# Allegro board buddy_lay_rev1.brd (continued)
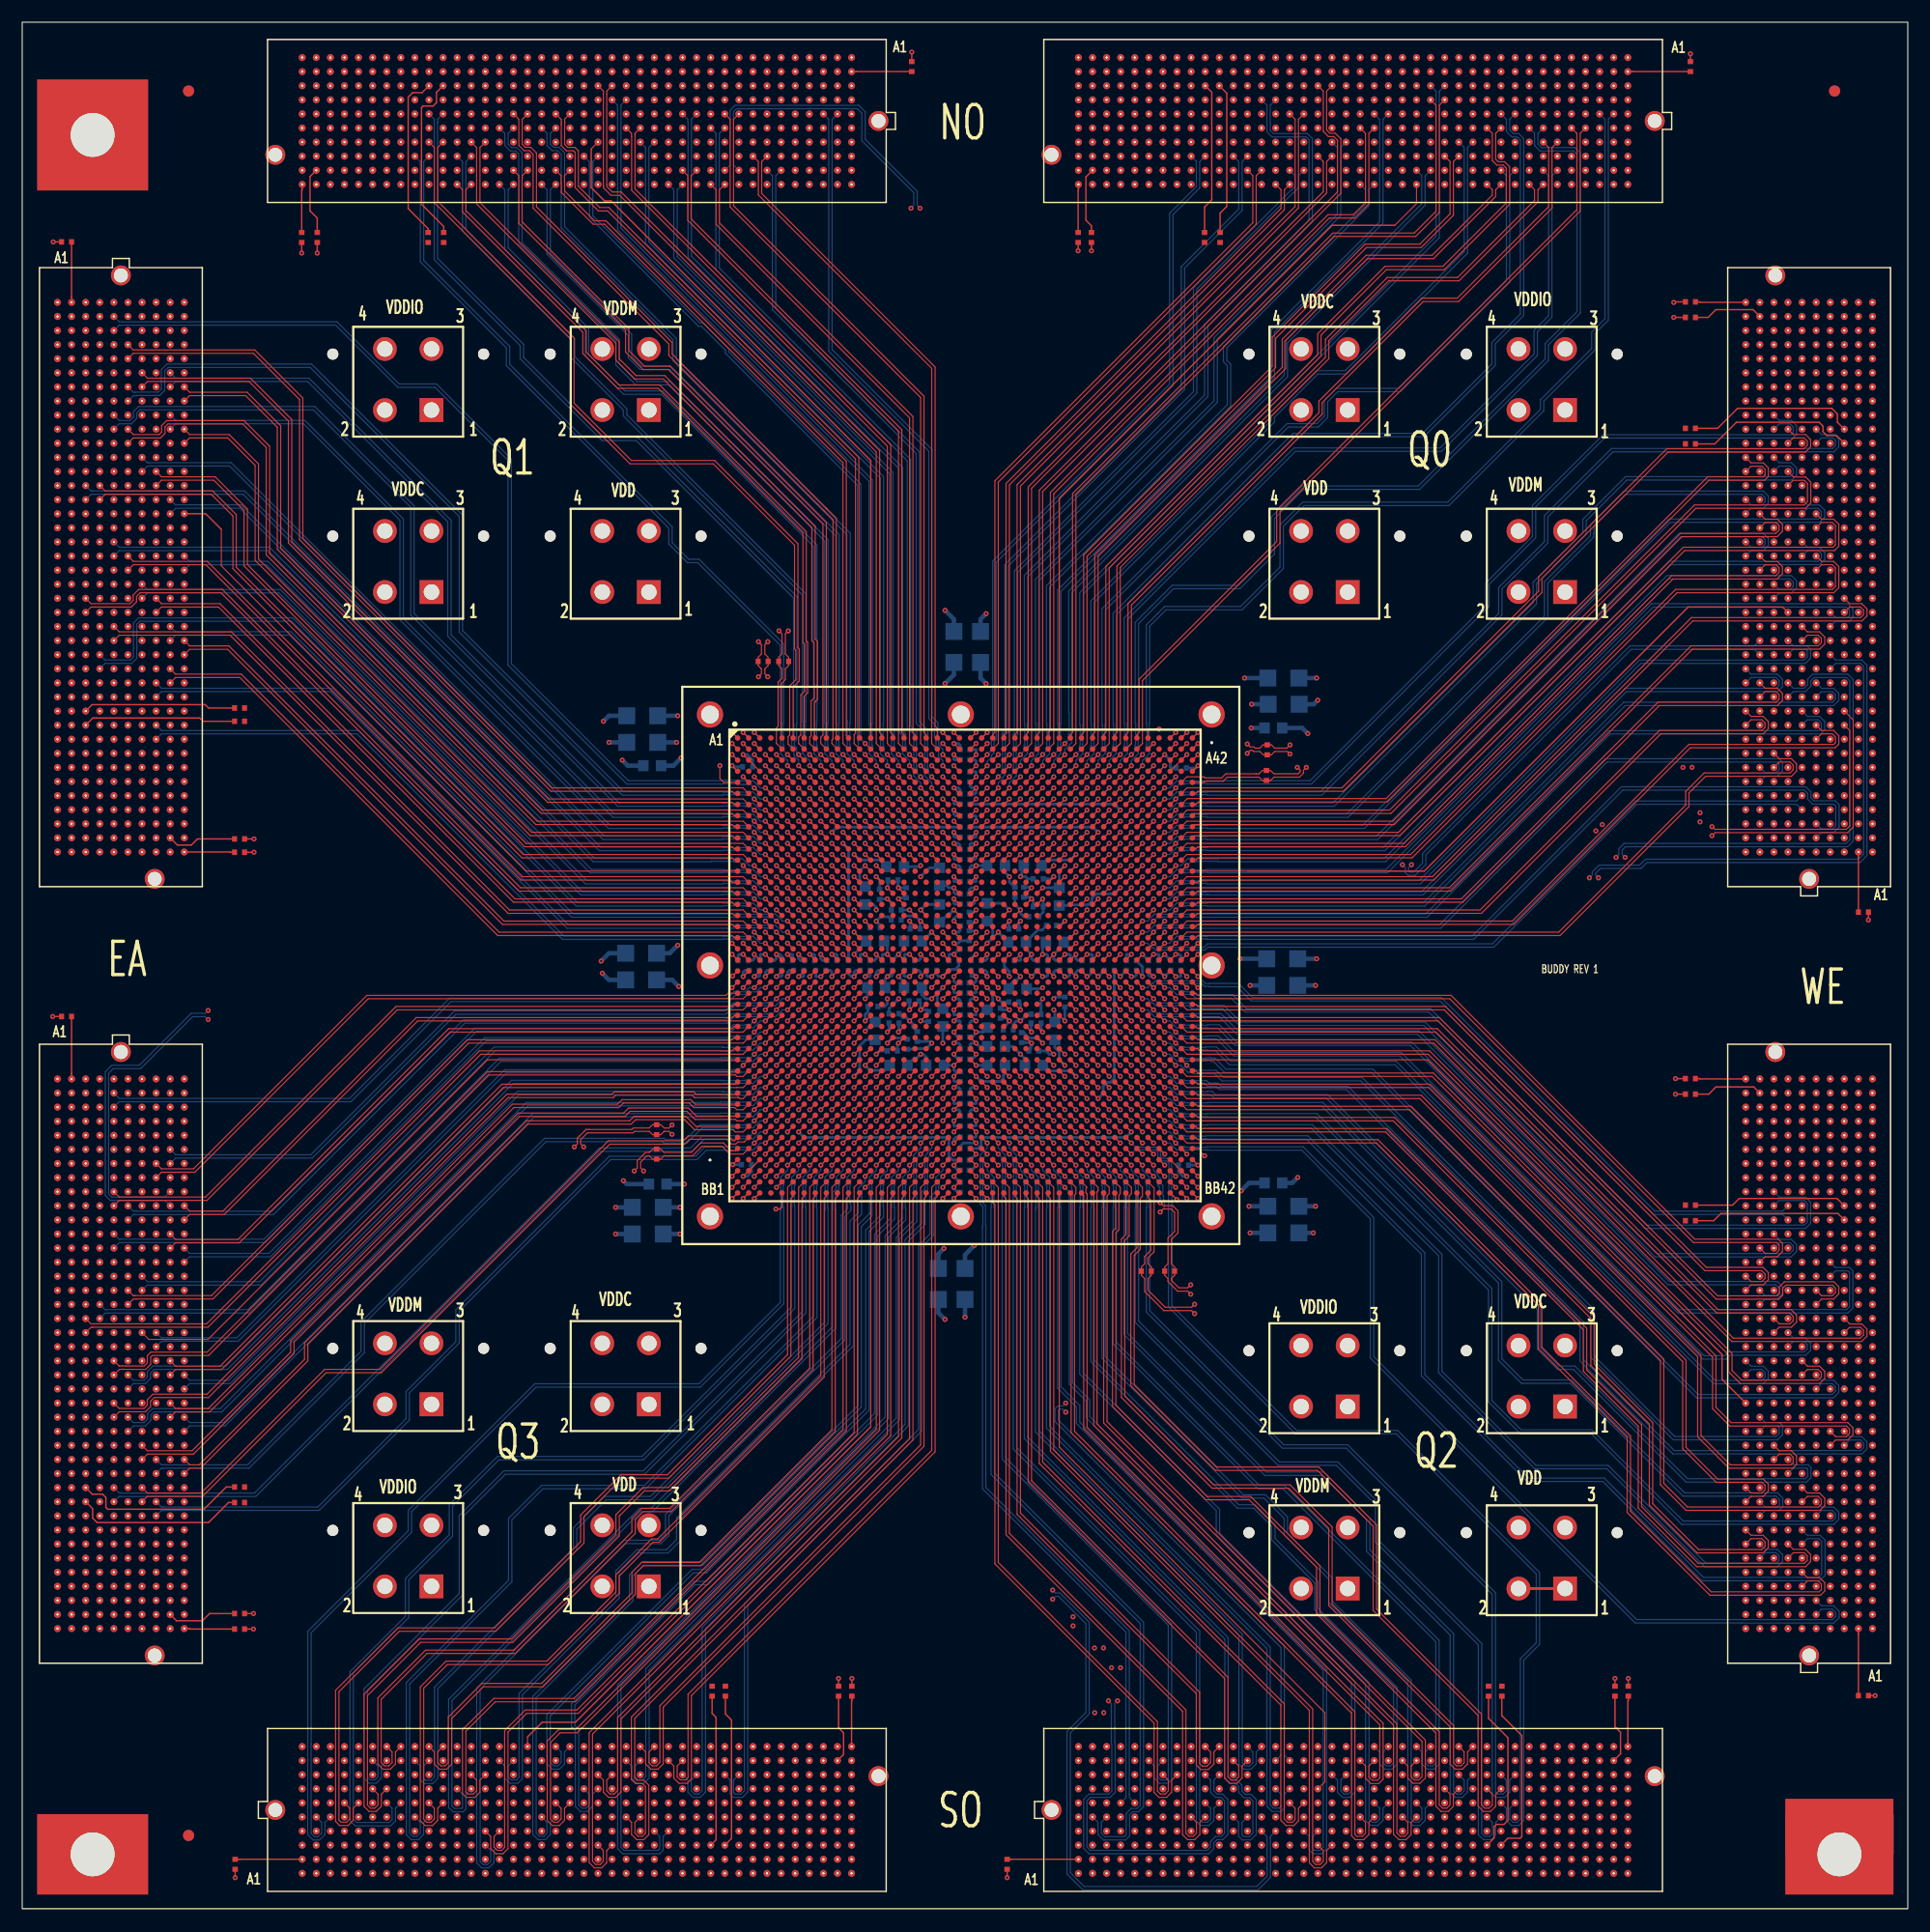
[diagram p0: board, top side]
## Nets (continued)
EA_P79: J7.K10(HA06_P) U1.AF1(EA_P79)
EA_P80: J7.E12(HA13_P) U1.AF3(EA_P80)
EA_P81: J7.F13(HA12_P) U1.AF7(EA_P81)
EA_P82: J7.G12(LA08_P) U1.AF9(EA_P82)
EA_P83: J7.H13(LA07_P) U1.AF11(EA_P83)
EA_P84: J7.J12(HA11_P) U1.AG1(EA_P84)
EA_P85: J7.K13(HA10_P) U1.AG3(EA_P85)
EA_P86: J7.C14(LA10_P) U1.AG7(EA_P86)
EA_P87: J7.D14(LA09_P) U1.AG9(EA_P87)
EA_P88: J7.E15(HA16_P) U1.AG11(EA_P88)
EA_P89: J7.F16(HA15_P) U1.AH1(EA_P89)
EA_P90: J7.G15(LA12_P) U1.AH3(EA_P90)
EA_P91: J7.H16(LA11_P) U1.AH5(EA_P91)
EA_P92: J7.J15(HA14_P) U1.AH9(EA_P92)
EA_P93: J7.K16(HA17_P_CC) U1.AH11(EA_P93)
EA_P94: J7.C18(LA14_P) U1.AJ1(EA_P94)
EA_P95: J7.D17(LA13_P) U1.AJ3(EA_P95)
EA_P96: J7.E18(HA20_P) U1.AJ5(EA_P96)
EA_P97: J7.F19(HA19_P) U1.AJ10(EA_P97)
EA_P98: J7.G18(LA16_P) U1.AJ12(EA_P98)
EA_P99: J7.H19(LA15_P) U1.AK2(EA_P99)
EA_P100: J7.J18(HA18_P) U1.AK4(EA_P100)
EA_P101: J7.K19(HA21_P) U1.AK6(EA_P101)
EA_P102: J7.C22(LA18_P_CC) U1.AK8(EA_P102)
EA_P103: J7.D20(LA17_P_CC) U1.AK11(EA_P103)
EA_P104: J7.E21(HB03_P) U1.AL1(EA_P104)
EA_P105: J7.F22(HB02_P) U1.AL3(EA_P105)
EA_P106: J7.G21(LA20_P) U1.AL5(EA_P106)
EA_P107: J7.H22(LA19_P) U1.AL7(EA_P107)
EA_P108: J7.J21(HA22_P) U1.AM1(EA_P108)
EA_P109: J7.K22(HA23_P) U1.AM3(EA_P109)
EA_P110: J7.C26(LA27_P) U1.AM5(EA_P110)
EA_P111: J7.D26(LA26_P) U1.AM7(EA_P111)
EA_P112: J7.E24(HB05_P) U1.AN1(EA_P112)
EA_P113: J7.F25(HB04_P) U1.AN3(EA_P113)
EA_P114: J7.G24(LA22_P) U1.AN5(EA_P114)
EA_P115: J7.H25(LA21_P) U1.AN7(EA_P115)
EA_P116: J7.J24(HB01_P) U1.AP1(EA_P116)
EA_P117: J7.K25(HB00_P_CC) U1.AP3(EA_P117)
EA_P118: J7.E27(HB09_P) U1.AP5(EA_P118)
EA_P119: J7.F28(HB08_P) U1.AP7(EA_P119)
EA_P120: J7.G27(LA25_P) U1.AR1(EA_P120)
EA_P121: J7.H28(LA24_P) U1.AR3(EA_P121)
EA_P122: J7.J27(HB07_P) U1.AR5(EA_P122)
EA_P123: J7.K28(HB06_P_CC) U1.AT1(EA_P123)
EA_P124: J7.E30(HB13_P) U1.AT3(EA_P124)
EA_P125: J7.F31(HB12_P) U1.AT5(EA_P125)
EA_P126: J7.G30(LA29_P) U1.AU1(EA_P126)
EA_P127: J7.H31(LA28_P) U1.AU3(EA_P127)
EA_VADJ0: J8.E39(VADJ) J8.F40(VADJ) J8.G39(VADJ) J8.H40(VADJ) R88.2 R103.2
EA_VADJ1: J7.E39(VADJ) J7.F40(VADJ) J7.G39(VADJ) J7.H40(VADJ) R105.2 R106.2
HS_C2M_N0_EA1: J7.C3(DP0_C2M_N)
HS_C2M_N0_EA3: J5.C3(DP0_C2M_N)
HS_C2M_N0_EA4: J4.C3(DP0_C2M_N)
HS_C2M_N0_EA6: J2.C3(DP0_C2M_N)
HS_C2M_N1_EA1: J7.A23(DP1_C2M_N)
HS_C2M_N1_EA3: J5.A23(DP1_C2M_N)
HS_C2M_N1_EA4: J4.A23(DP1_C2M_N)
HS_C2M_N1_EA6: J2.A23(DP1_C2M_N)
HS_C2M_N2_EA1: J7.A27(DP2_C2M_N)
HS_C2M_N2_EA3: J5.A27(DP2_C2M_N)
HS_C2M_N2_EA4: J4.A27(DP2_C2M_N)
HS_C2M_N2_EA6: J2.A27(DP2_C2M_N)
HS_C2M_N3_EA1: J7.A31(DP3_C2M_N)
HS_C2M_N3_EA3: J5.A31(DP3_C2M_N)
HS_C2M_N3_EA4: J4.A31(DP3_C2M_N)
HS_C2M_N3_EA6: J2.A31(DP3_C2M_N)
HS_C2M_N4_EA1: J7.A35(DP4_C2M_N)
HS_C2M_N4_EA3: J5.A35(DP4_C2M_N)
HS_C2M_N4_EA4: J4.A35(DP4_C2M_N)
HS_C2M_N4_EA6: J2.A35(DP4_C2M_N)
HS_C2M_N5_EA1: J7.A39(DP5_C2M_N)
HS_C2M_N5_EA3: J5.A39(DP5_C2M_N)
HS_C2M_N5_EA4: J4.A39(DP5_C2M_N)
HS_C2M_N5_EA6: J2.A39(DP5_C2M_N)
HS_C2M_N6_EA1: J7.B37(DP6_C2M_N)
HS_C2M_N6_EA3: J5.B37(DP6_C2M_N)
HS_C2M_N6_EA4: J4.B37(DP6_C2M_N)
HS_C2M_N6_EA6: J2.B37(DP6_C2M_N)
HS_C2M_N7_EA1: J7.B33(DP7_C2M_N)
HS_C2M_N7_EA3: J5.B33(DP7_C2M_N)
HS_C2M_N7_EA4: J4.B33(DP7_C2M_N)
HS_C2M_N7_EA6: J2.B33(DP7_C2M_N)
HS_C2M_N8_EA1: J7.B29(DP8_C2M_N)
HS_C2M_N8_EA3: J5.B29(DP8_C2M_N)
HS_C2M_N8_EA4: J4.B29(DP8_C2M_N)
HS_C2M_N8_EA6: J2.B29(DP8_C2M_N)
HS_C2M_N9_EA1: J7.B25(DP9_C2M_N)
HS_C2M_N9_EA3: J5.B25(DP9_C2M_N)
HS_C2M_N9_EA4: J4.B25(DP9_C2M_N)
HS_C2M_N9_EA6: J2.B25(DP9_C2M_N)
HS_C2M_P0_EA1: J7.C2(DP0_C2M_P)
HS_C2M_P0_EA3: J5.C2(DP0_C2M_P)
HS_C2M_P0_EA4: J4.C2(DP0_C2M_P)
HS_C2M_P0_EA6: J2.C2(DP0_C2M_P)
HS_C2M_P1_EA1: J7.A22(DP1_C2M_P)
HS_C2M_P1_EA3: J5.A22(DP1_C2M_P)
HS_C2M_P1_EA4: J4.A22(DP1_C2M_P)
HS_C2M_P1_EA6: J2.A22(DP1_C2M_P)
HS_C2M_P2_EA1: J7.A26(DP2_C2M_P)
HS_C2M_P2_EA3: J5.A26(DP2_C2M_P)
HS_C2M_P2_EA4: J4.A26(DP2_C2M_P)
HS_C2M_P2_EA6: J2.A26(DP2_C2M_P)
HS_C2M_P3_EA1: J7.A30(DP3_C2M_P)
HS_C2M_P3_EA3: J5.A30(DP3_C2M_P)
HS_C2M_P3_EA4: J4.A30(DP3_C2M_P)
HS_C2M_P3_EA6: J2.A30(DP3_C2M_P)
HS_C2M_P4_EA1: J7.A34(DP4_C2M_P)
HS_C2M_P4_EA3: J5.A34(DP4_C2M_P)
HS_C2M_P4_EA4: J4.A34(DP4_C2M_P)
HS_C2M_P4_EA6: J2.A34(DP4_C2M_P)
HS_C2M_P5_EA1: J7.A38(DP5_C2M_P)
HS_C2M_P5_EA3: J5.A38(DP5_C2M_P)
HS_C2M_P5_EA4: J4.A38(DP5_C2M_P)
HS_C2M_P5_EA6: J2.A38(DP5_C2M_P)
HS_C2M_P6_EA1: J7.B36(DP6_C2M_P)
HS_C2M_P6_EA3: J5.B36(DP6_C2M_P)
HS_C2M_P6_EA4: J4.B36(DP6_C2M_P)
HS_C2M_P6_EA6: J2.B36(DP6_C2M_P)
HS_C2M_P7_EA1: J7.B32(DP7_C2M_P)
HS_C2M_P7_EA3: J5.B32(DP7_C2M_P)
HS_C2M_P7_EA4: J4.B32(DP7_C2M_P)
HS_C2M_P7_EA6: J2.B32(DP7_C2M_P)
HS_C2M_P8_EA1: J7.B28(DP8_C2M_P)
HS_C2M_P8_EA3: J5.B28(DP8_C2M_P)
HS_C2M_P8_EA4: J4.B28(DP8_C2M_P)
HS_C2M_P8_EA6: J2.B28(DP8_C2M_P)
HS_C2M_P9_EA1: J7.B24(DP9_C2M_P)
HS_C2M_P9_EA3: J5.B24(DP9_C2M_P)
HS_C2M_P9_EA4: J4.B24(DP9_C2M_P)
HS_C2M_P9_EA6: J2.B24(DP9_C2M_P)
HS_CLK_N0_EA: J8.D5(GBTCLK0_M2C_N)
HS_CLK_N0_EA1: J7.D5(GBTCLK0_M2C_N)
HS_CLK_N0_EA2: J6.D5(GBTCLK0_M2C_N)
HS_CLK_N0_EA3: J5.D5(GBTCLK0_M2C_N)
HS_CLK_N0_EA4: J4.D5(GBTCLK0_M2C_N)
HS_CLK_N0_EA5: J3.D5(GBTCLK0_M2C_N)
HS_CLK_N0_EA6: J2.D5(GBTCLK0_M2C_N)
HS_CLK_N0_EA7: J1.D5(GBTCLK0_M2C_N)
HS_CLK_N1_EA: J8.B21(GBTCLK1_M2C_N)
HS_CLK_N1_EA1: J7.B21(GBTCLK1_M2C_N)
HS_CLK_N1_EA2: J6.B21(GBTCLK1_M2C_N)
HS_CLK_N1_EA3: J5.B21(GBTCLK1_M2C_N)
HS_CLK_N1_EA4: J4.B21(GBTCLK1_M2C_N)
HS_CLK_N1_EA5: J3.B21(GBTCLK1_M2C_N)
HS_CLK_N1_EA6: J2.B21(GBTCLK1_M2C_N)
HS_CLK_N1_EA7: J1.B21(GBTCLK1_M2C_N)
HS_CLK_P0_EA: J8.D4(GBTCLK0_M2C_P)
HS_CLK_P0_EA1: J7.D4(GBTCLK0_M2C_P)
HS_CLK_P0_EA2: J6.D4(GBTCLK0_M2C_P)
HS_CLK_P0_EA3: J5.D4(GBTCLK0_M2C_P)
HS_CLK_P0_EA4: J4.D4(GBTCLK0_M2C_P)
HS_CLK_P0_EA5: J3.D4(GBTCLK0_M2C_P)
HS_CLK_P0_EA6: J2.D4(GBTCLK0_M2C_P)
HS_CLK_P0_EA7: J1.D4(GBTCLK0_M2C_P)
HS_CLK_P1_EA: J8.B20(GBTCLK1_M2C_P)
HS_CLK_P1_EA1: J7.B20(GBTCLK1_M2C_P)
HS_CLK_P1_EA2: J6.B20(GBTCLK1_M2C_P)
HS_CLK_P1_EA3: J5.B20(GBTCLK1_M2C_P)
HS_CLK_P1_EA4: J4.B20(GBTCLK1_M2C_P)
HS_CLK_P1_EA5: J3.B20(GBTCLK1_M2C_P)
HS_CLK_P1_EA6: J2.B20(GBTCLK1_M2C_P)
HS_CLK_P1_EA7: J1.B20(GBTCLK1_M2C_P)
HS_M2C_N0_EA1: J7.C7(DP0_M2C_N)
HS_M2C_N0_EA3: J5.C7(DP0_M2C_N)
HS_M2C_N0_EA4: J4.C7(DP0_M2C_N)
HS_M2C_N0_EA6: J2.C7(DP0_M2C_N)
HS_M2C_N1_EA1: J7.A3(DP1_M2C_N)
HS_M2C_N1_EA3: J5.A3(DP1_M2C_N)
HS_M2C_N1_EA4: J4.A3(DP1_M2C_N)
HS_M2C_N1_EA6: J2.A3(DP1_M2C_N)
HS_M2C_N2_EA1: J7.A7(DP2_M2C_N)
HS_M2C_N2_EA3: J5.A7(DP2_M2C_N)
HS_M2C_N2_EA4: J4.A7(DP2_M2C_N)
HS_M2C_N2_EA6: J2.A7(DP2_M2C_N)
HS_M2C_N3_EA1: J7.A11(DP3_M2C_N)
HS_M2C_N3_EA3: J5.A11(DP3_M2C_N)
HS_M2C_N3_EA4: J4.A11(DP3_M2C_N)
HS_M2C_N3_EA6: J2.A11(DP3_M2C_N)
HS_M2C_N4_EA1: J7.A15(DP4_M2C_N)
HS_M2C_N4_EA3: J5.A15(DP4_M2C_N)
HS_M2C_N4_EA4: J4.A15(DP4_M2C_N)
HS_M2C_N4_EA6: J2.A15(DP4_M2C_N)
HS_M2C_N5_EA1: J7.A19(DP5_M2C_N)
HS_M2C_N5_EA3: J5.A19(DP5_M2C_N)
HS_M2C_N5_EA4: J4.A19(DP5_M2C_N)
HS_M2C_N5_EA6: J2.A19(DP5_M2C_N)
HS_M2C_N6_EA1: J7.B17(DP6_M2C_N)
HS_M2C_N6_EA3: J5.B17(DP6_M2C_N)
HS_M2C_N6_EA4: J4.B17(DP6_M2C_N)
HS_M2C_N6_EA6: J2.B17(DP6_M2C_N)
HS_M2C_N7_EA1: J7.B13(DP7_M2C_N)
HS_M2C_N7_EA3: J5.B13(DP7_M2C_N)
HS_M2C_N7_EA4: J4.B13(DP7_M2C_N)
HS_M2C_N7_EA6: J2.B13(DP7_M2C_N)
HS_M2C_N8_EA1: J7.B9(DP8_M2C_N)
HS_M2C_N8_EA3: J5.B9(DP8_M2C_N)
HS_M2C_N8_EA4: J4.B9(DP8_M2C_N)
HS_M2C_N8_EA6: J2.B9(DP8_M2C_N)
HS_M2C_N9_EA1: J7.B5(DP9_M2C_N)
HS_M2C_N9_EA3: J5.B5(DP9_M2C_N)
HS_M2C_N9_EA4: J4.B5(DP9_M2C_N)
HS_M2C_N9_EA6: J2.B5(DP9_M2C_N)
HS_M2C_P0_EA1: J7.C6(DP0_M2C_P)
HS_M2C_P0_EA3: J5.C6(DP0_M2C_P)
HS_M2C_P0_EA4: J4.C6(DP0_M2C_P)
HS_M2C_P0_EA6: J2.C6(DP0_M2C_P)
HS_M2C_P1_EA1: J7.A2(DP1_M2C_P)
HS_M2C_P1_EA3: J5.A2(DP1_M2C_P)
HS_M2C_P1_EA4: J4.A2(DP1_M2C_P)
HS_M2C_P1_EA6: J2.A2(DP1_M2C_P)
HS_M2C_P2_EA1: J7.A6(DP2_M2C_P)
HS_M2C_P2_EA3: J5.A6(DP2_M2C_P)
HS_M2C_P2_EA4: J4.A6(DP2_M2C_P)
HS_M2C_P2_EA6: J2.A6(DP2_M2C_P)
HS_M2C_P3_EA1: J7.A10(DP3_M2C_P)
HS_M2C_P3_EA3: J5.A10(DP3_M2C_P)
HS_M2C_P3_EA4: J4.A10(DP3_M2C_P)
HS_M2C_P3_EA6: J2.A10(DP3_M2C_P)
HS_M2C_P4_EA1: J7.A14(DP4_M2C_P)
HS_M2C_P4_EA3: J5.A14(DP4_M2C_P)
HS_M2C_P4_EA4: J4.A14(DP4_M2C_P)
HS_M2C_P4_EA6: J2.A14(DP4_M2C_P)
HS_M2C_P5_EA1: J7.A18(DP5_M2C_P)
HS_M2C_P5_EA3: J5.A18(DP5_M2C_P)
HS_M2C_P5_EA4: J4.A18(DP5_M2C_P)
HS_M2C_P5_EA6: J2.A18(DP5_M2C_P)
HS_M2C_P6_EA1: J7.B16(DP6_M2C_P)
HS_M2C_P6_EA3: J5.B16(DP6_M2C_P)
HS_M2C_P6_EA4: J4.B16(DP6_M2C_P)
HS_M2C_P6_EA6: J2.B16(DP6_M2C_P)
HS_M2C_P7_EA1: J7.B12(DP7_M2C_P)
HS_M2C_P7_EA3: J5.B12(DP7_M2C_P)
HS_M2C_P7_EA4: J4.B12(DP7_M2C_P)
HS_M2C_P7_EA6: J2.B12(DP7_M2C_P)
HS_M2C_P8_EA1: J7.B8(DP8_M2C_P)
HS_M2C_P8_EA3: J5.B8(DP8_M2C_P)
HS_M2C_P8_EA4: J4.B8(DP8_M2C_P)
HS_M2C_P8_EA6: J2.B8(DP8_M2C_P)
HS_M2C_P9_EA1: J7.B4(DP9_M2C_P)
HS_M2C_P9_EA3: J5.B4(DP9_M2C_P)
HS_M2C_P9_EA4: J4.B4(DP9_M2C_P)
HS_M2C_P9_EA6: J2.B4(DP9_M2C_P)
N9431327_EA: J8.J39(VIO_B_M2C) R103.1
N9431327_EA1: J7.J39(VIO_B_M2C) R105.1
N9431327_EA2: J6.J39(VIO_B_M2C) R120.1
N9431327_EA3: J5.J39(VIO_B_M2C) R125.1
N9431327_EA4: J4.J39(VIO_B_M2C) R135.1
N9431327_EA5: J3.J39(VIO_B_M2C) R130.1
N9431327_EA6: J2.J39(VIO_B_M2C) R115.1
N9431327_EA7: J1.J39(VIO_B_M2C) R110.1
N9447658_EA: J8.K40(VIO_B_M2C) R88.1
N9447658_EA1: J7.K40(VIO_B_M2C) R106.1
N9447658_EA2: J6.K40(VIO_B_M2C) R121.1
N9447658_EA3: J5.K40(VIO_B_M2C) R126.1
N9447658_EA4: J4.K40(VIO_B_M2C) R136.1
N9447658_EA5: J3.K40(VIO_B_M2C) R131.1
N9447658_EA6: J2.K40(VIO_B_M2C) R116.1
N9447658_EA7: J1.K40(VIO_B_M2C) R111.1
N9469065_EA: J8.B1(CLK_DIR) R102.1
N9469065_EA1: J7.B1(CLK_DIR) R104.1
N9469065_EA2: J6.B1(CLK_DIR) R119.1
N9469065_EA3: J5.B1(CLK_DIR) R124.1
N9469065_EA4: J4.B1(CLK_DIR) R134.1
N9469065_EA5: J3.B1(CLK_DIR) R129.1
N9469065_EA6: J2.B1(CLK_DIR) R114.1
N9469065_EA7: J1.B1(CLK_DIR) R109.1
N9472109_EA: J8.C30(SCL) R101.1
N9472109_EA1: J7.C30(SCL) R107.1
N9472109_EA2: J6.C30(SCL) R122.1
N9472109_EA3: J5.C30(SCL) R127.1
N9472109_EA4: J4.C30(SCL) R137.1
N9472109_EA5: J3.C30(SCL) R132.1
N9472109_EA6: J2.C30(SCL) R117.1
N9472109_EA7: J1.C30(SCL) R112.1
N9472251_EA: J8.C31(SDA) R90.1
N9472251_EA1: J7.C31(SDA) R108.1
N9472251_EA2: J6.C31(SDA) R123.1
N9472251_EA3: J5.C31(SDA) R128.1
N9472251_EA4: J4.C31(SDA) R138.1
N9472251_EA5: J3.C31(SDA) R133.1
N9472251_EA6: J2.C31(SDA) R118.1
N9472251_EA7: J1.C31(SDA) R113.1
NO_3P3V: J1.C39(3P3V) J1.D36(3P3V#D36) J1.D38(3P3V#D38) J1.D40(3P3V#D40) J2.C39(3P3V) J2.D36(3P3V#D36) J2.D38(3P3V#D38) J2.D40(3P3V#D40) R109.2 R114.2
NO_12P0V: J1.C35(12P0V#C35) J1.C37(12P0V#C37) J2.C35(12P0V#C35) J2.C37(12P0V#C37)
NO_CTRL0: J1.J30(HB11_P) U1.D38(NOCTRL0)
NO_CTRL1: J1.K31(HB10_P) U1.C38(NOCTRL1)
NO_CTRL2: J1.E33(HB19_P) U1.B38(NOCTRL2)
NO_CTRL3: J1.F34(HB16_P) U1.A38(NOCTRL3)
NO_CTRL4: J1.G33(LA31_P)
NO_CTRL5: J1.H34(LA30_P)
NO_CTRL6: J1.J33(HB15_P)
NO_CTRL7: J1.K34(HB14_P)
NO_CTRL8: J1.E36(HB21_P)
NO_CTRL9: J1.F37(HB20_P)
NO_CTRL10: J1.G36(LA33_P)
NO_CTRL11: J1.H37(LA32_P)
NO_CTRL12: J1.J36(HB18_P)
NO_CTRL13: J1.K37(HB17_P_CC)
NO_HS_C2M_N0: J1.C3(DP0_C2M_N) R93.1 U1.A5(NO_EX_N)
NO_HS_C2M_N1: J1.A23(DP1_C2M_N)
NO_HS_C2M_N2: J1.A27(DP2_C2M_N)
NO_HS_C2M_N3: J1.A31(DP3_C2M_N)
NO_HS_C2M_N4: J1.A35(DP4_C2M_N)
NO_HS_C2M_N5: J1.A39(DP5_C2M_N)
NO_HS_C2M_N6: J1.B37(DP6_C2M_N)
NO_HS_C2M_N7: J1.B33(DP7_C2M_N)
NO_HS_C2M_N8: J1.B29(DP8_C2M_N)
NO_HS_C2M_N9: J1.B25(DP9_C2M_N)
NO_HS_C2M_P0: J1.C2(DP0_C2M_P) R93.2 U1.B5(NO_RX_P)
NO_HS_C2M_P1: J1.A22(DP1_C2M_P)
NO_HS_C2M_P2: J1.A26(DP2_C2M_P)
NO_HS_C2M_P3: J1.A30(DP3_C2M_P)
NO_HS_C2M_P4: J1.A34(DP4_C2M_P)
NO_HS_C2M_P5: J1.A38(DP5_C2M_P)
NO_HS_C2M_P6: J1.B36(DP6_C2M_P)
NO_HS_C2M_P7: J1.B32(DP7_C2M_P)
NO_HS_C2M_P8: J1.B28(DP8_C2M_P)
NO_HS_C2M_P9: J1.B24(DP9_C2M_P)
NO_HS_M2C_N0: J1.C7(DP0_M2C_N) R94.1 U1.C5(NO_TX_N)
NO_HS_M2C_N1: J1.A3(DP1_M2C_N)
NO_HS_M2C_N2: J1.A7(DP2_M2C_N)
NO_HS_M2C_N3: J1.A11(DP3_M2C_N)
NO_HS_M2C_N4: J1.A15(DP4_M2C_N)
NO_HS_M2C_N5: J1.A19(DP5_M2C_N)
NO_HS_M2C_N6: J1.B17(DP6_M2C_N)
NO_HS_M2C_N7: J1.B13(DP7_M2C_N)
NO_HS_M2C_N8: J1.B9(DP8_M2C_N)
NO_HS_M2C_N9: J1.B5(DP9_M2C_N)
NO_HS_M2C_P0: J1.C6(DP0_M2C_P) R94.2 U1.D5(NO_TX_P)
NO_HS_M2C_P1: J1.A2(DP1_M2C_P)
NO_HS_M2C_P2: J1.A6(DP2_M2C_P)
NO_HS_M2C_P3: J1.A10(DP3_M2C_P)
NO_HS_M2C_P4: J1.A14(DP4_M2C_P)
NO_HS_M2C_P5: J1.A18(DP5_M2C_P)
NO_HS_M2C_P6: J1.B16(DP6_M2C_P)
NO_HS_M2C_P7: J1.B12(DP7_M2C_P)
NO_HS_M2C_P8: J1.B8(DP8_M2C_P)
NO_HS_M2C_P9: J1.B4(DP9_M2C_P)
NO_N0: J2.E3(HA01_N_CC) U1.C37(NO_N0)
NO_N1: J2.F5(HA00_N_CC) U1.A37(NO_N1)
NO_N2: J2.E7(HA05_N) U1.E36(NO_N2)
NO_N3: J2.F8(HA04_N) U1.C36(NO_N3)
NO_N4: J2.G7(LA00_N_CC) U1.A36(NO_N4)
NO_N5: J2.H8(LA02_N) U1.E35(NO_N5)
NO_N6: J2.J7(HA03_N) U1.C35(NO_N6)
NO_N7: J2.K8(HA02_N) U1.A35(NO_N7)
NO_N8: J2.C11(LA06_N) U1.G34(NO_N8)
NO_N9: J2.D9(LA01_N_CC) U1.E34(NO_N9)
NO_N10: J2.E10(HA09_N) U1.C34(NO_N10)
NO_N11: J2.F11(HA08_N) U1.A34(NO_N11)
NO_N12: J2.G10(LA03_N) U1.G33(NO_N12)
NO_N13: J2.H11(LA04_N) U1.E33(NO_N13)
NO_N14: J2.J10(HA07_N) U1.C33(NO_N14)
NO_N15: J2.K11(HA06_N) U1.A33(NO_N15)
NO_N16: J2.E13(HA13_N) U1.G32(NO_N16)
NO_N17: J2.F14(HA12_N) U1.E32(NO_N17)
NO_N18: J2.G13(LA08_N) U1.C32(NO_N18)
NO_N19: J2.H14(LA07_N) U1.A32(NO_N19)
NO_N20: J2.J13(HA11_N) U1.G31(NO_N20)
NO_N21: J2.K14(HA10_N) U1.E31(NO_N21)
NO_N22: J2.C15(LA10_N) U1.C31(NO_N22)
NO_N23: J2.D15(LA09_N) U1.A31(NO_N23)
NO_N24: J2.E16(HA16_N) U1.L30(NO_N24)
NO_N25: J2.F17(HA15_N) U1.H30(NO_N25)
NO_N26: J2.G16(LA12_N) U1.F30(NO_N26)
NO_N27: J2.H17(LA11_N) U1.D30(NO_N27)
NO_N28: J2.J16(HA14_N) U1.B30(NO_N28)
NO_N29: J2.K17(HA17_N_CC) U1.M29(NO_N29)
NO_N30: J2.C19(LA14_N) U1.K29(NO_N30)
NO_N31: J2.D18(LA13_N) U1.E29(NO_N31)
NO_N32: J2.E19(HA20_N) U1.C29(NO_N32)
NO_N33: J2.F20(HA19_N) U1.A29(NO_N33)
NO_N34: J2.G19(LA16_N) U1.L28(NO_N34)
NO_N35: J2.H20(LA15_N) U1.J28(NO_N35)
NO_N36: J2.J19(HA18_N) U1.E28(NO_N36)
NO_N37: J2.K20(HA21_N) U1.C28(NO_N37)
NO_N38: J2.C23(LA18_N_CC) U1.A28(NO_N38)
NO_N39: J2.D21(LA17_N_CC) U1.L27(NO_N39)
NO_N40: J2.E22(HB03_N) U1.J27(NO_N40)
NO_N41: J2.F23(HB02_N) U1.G27(NO_N41)
NO_N42: J2.G22(LA20_N) U1.C27(NO_N42)
NO_N43: J2.H23(LA19_N) U1.A27(NO_N43)
NO_N44: J2.J22(HA22_N) U1.L26(NO_N44)
NO_N45: J2.K23(HA23_N) U1.J26(NO_N45)
NO_N46: J2.C27(LA27_N) U1.G26(NO_N46)
NO_N47: J2.D27(LA26_N) U1.C26(NO_N47)
NO_N48: J2.E25(HB05_N) U1.A26(NO_N48)
NO_N49: J2.F26(HB04_N) U1.L25(NO_N49)
NO_N50: J2.G25(LA22_N) U1.J25(NO_N50)
NO_N51: J2.H26(LA21_N) U1.G25(NO_N51)
NO_N52: J2.J25(HB01_N) U1.E25(NO_N52)
NO_N53: J2.K26(HB00_N_CC) U1.A25(NO_N53)
NO_N54: J2.E28(HB09_N) U1.L24(NO_N54)
NO_N55: J2.F29(HB08_N) U1.J24(NO_N55)
NO_N56: J2.G28(LA25_N) U1.G24(NO_N56)
NO_N57: J2.H29(LA24_N) U1.E24(NO_N57)
NO_N58: J2.J28(HB07_N) U1.A24(NO_N58)
NO_N59: J2.K29(HB06_N_CC) U1.L23(NO_N59)
NO_N60: J2.E31(HB13_N) U1.J23(NO_N60)
NO_N61: J2.F32(HB12_N) U1.G23(NO_N61)
NO_N62: J2.G31(LA29_N) U1.E23(NO_N62)
NO_N63: J2.H32(LA28_N) U1.C23(NO_N63)
NO_N64: J1.E3(HA01_N_CC) U1.D20(NO_N64)
NO_N65: J1.F5(HA00_N_CC) U1.F20(NO_N65)
NO_N66: J1.E7(HA05_N) U1.H20(NO_N66)
NO_N67: J1.F8(HA04_N) U1.K20(NO_N67)
NO_N68: J1.G7(LA00_N_CC) U1.M20(NO_N68)
NO_N69: J1.H8(LA02_N) U1.B19(NO_N69)
NO_N70: J1.J7(HA03_N) U1.F19(NO_N70)
NO_N71: J1.K8(HA02_N) U1.H19(NO_N71)
NO_N72: J1.C11(LA06_N) U1.K19(NO_N72)
NO_N73: J1.D9(LA01_N_CC) U1.M19(NO_N73)
NO_N74: J1.E10(HA09_N) U1.B18(NO_N74)
NO_N75: J1.F11(HA08_N) U1.F18(NO_N75)
NO_N76: J1.G10(LA03_N) U1.H18(NO_N76)
NO_N77: J1.H11(LA04_N) U1.K18(NO_N77)
NO_N78: J1.J10(HA07_N) U1.M18(NO_N78)
NO_N79: J1.K11(HA06_N) U1.B17(NO_N79)
NO_N80: J1.E13(HA13_N) U1.D17(NO_N80)
NO_N81: J1.F14(HA12_N) U1.H17(NO_N81)
NO_N82: J1.G13(LA08_N) U1.K17(NO_N82)
NO_N83: J1.H14(LA07_N) U1.M17(NO_N83)
NO_N84: J1.J13(HA11_N) U1.B16(NO_N84)
NO_N85: J1.K14(HA10_N) U1.D16(NO_N85)
NO_N86: J1.C15(LA10_N) U1.H16(NO_N86)
NO_N87: J1.D15(LA09_N) U1.K16(NO_N87)
NO_N88: J1.E16(HA16_N) U1.M16(NO_N88)
NO_N89: J1.F17(HA15_N) U1.B15(NO_N89)
NO_N90: J1.G16(LA12_N) U1.D15(NO_N90)
NO_N91: J1.H17(LA11_N) U1.F15(NO_N91)
NO_N92: J1.J16(HA14_N) U1.K15(NO_N92)
NO_N93: J1.K17(HA17_N_CC) U1.M15(NO_N93)
NO_N94: J1.C19(LA14_N) U1.B14(NO_N94)
NO_N95: J1.D18(LA13_N) U1.D14(NO_N95)
NO_N96: J1.E19(HA20_N) U1.F14(NO_N96)
NO_N97: J1.F20(HA19_N) U1.L14(NO_N97)
NO_N98: J1.G19(LA16_N) U1.A13(NO_N98)
NO_N99: J1.H20(LA15_N) U1.C13(NO_N99)
NO_N100: J1.J19(HA18_N) U1.E13(NO_N100)
NO_N101: J1.K20(HA21_N) U1.G13(NO_N101)
NO_N102: J1.C23(LA18_N_CC) U1.K13(NO_N102)
NO_N103: J1.D21(LA17_N_CC) U1.M13(NO_N103)
NO_N104: J1.E22(HB03_N) U1.B12(NO_N104)
NO_N105: J1.F23(HB02_N) U1.D12(NO_N105)
NO_N106: J1.G22(LA20_N) U1.F12(NO_N106)
NO_N107: J1.H23(LA19_N) U1.H12(NO_N107)
NO_N108: J1.J22(HA22_N) U1.B11(NO_N108)
NO_N109: J1.K23(HA23_N) U1.D11(NO_N109)
NO_N110: J1.C27(LA27_N) U1.F11(NO_N110)
NO_N111: J1.D27(LA26_N) U1.H11(NO_N111)
NO_N112: J1.E25(HB05_N) U1.B10(NO_N112)
NO_N113: J1.F26(HB04_N) U1.D10(NO_N113)
NO_N114: J1.G25(LA22_N) U1.F10(NO_N114)
NO_N115: J1.H26(LA21_N) U1.H10(NO_N115)
NO_N116: J1.J25(HB01_N) U1.B9(NO_N116)
NO_N117: J1.K26(HB00_N_CC) U1.D9(NO_N117)
NO_N118: J1.E28(HB09_N) U1.F9(NO_N118)
NO_N119: J1.F29(HB08_N) U1.H9(NO_N119)
NO_N120: J1.G28(LA25_N) U1.B8(NO_N120)
NO_N121: J1.H29(LA24_N) U1.D8(NO_N121)
NO_N122: J1.J28(HB07_N) U1.F8(NO_N122)
NO_N123: J1.K29(HB06_N_CC) U1.B7(NO_N123)
NO_N124: J1.E31(HB13_N) U1.D7(NO_N124)
NO_N125: J1.F32(HB12_N) U1.F7(NO_N125)
NO_N126: J1.G31(LA29_N) U1.B6(NO_N126)
NO_N127: J1.H32(LA28_N) U1.D6(NO_N127)
NO_P0: J2.E2(HA01_P_CC) U1.D37(NO_P0)
NO_P1: J2.F4(HA00_P_CC) U1.B37(NO_P1)
NO_P2: J2.E6(HA05_P) U1.F36(NO_P2)
NO_P3: J2.F7(HA04_P) U1.D36(NO_P3)
NO_P4: J2.G6(LA00_P_CC) U1.B36(NO_P4)
NO_P5: J2.H7(LA02_P) U1.F35(NO_P5)
NO_P6: J2.J6(HA03_P) U1.D35(NO_P6)
NO_P7: J2.K7(HA02_P) U1.B35(NO_P7)
NO_P8: J2.C10(LA06_P) U1.H34(NO_P8)
NO_P9: J2.D8(LA01_P_CC) U1.F34(NO_P9)
NO_P10: J2.E9(HA09_P) U1.D34(NO_P10)
NO_P11: J2.F10(HA08_P) U1.B34(NO_P11)
NO_P12: J2.G9(LA03_P) U1.H33(NO_P12)
NO_P13: J2.H10(LA04_P) U1.F33(NO_P13)
NO_P14: J2.J9(HA07_P) U1.D33(NO_P14)
NO_P15: J2.K10(HA06_P) U1.B33(NO_P15)
NO_P16: J2.E12(HA13_P) U1.H32(NO_P16)
NO_P17: J2.F13(HA12_P) U1.F32(NO_P17)
NO_P18: J2.G12(LA08_P) U1.D32(NO_P18)
NO_P19: J2.H13(LA07_P) U1.B32(NO_P19)
NO_P20: J2.J12(HA11_P) U1.H31(NO_P20)
NO_P21: J2.K13(HA10_P) U1.F31(NO_P21)
NO_P22: J2.C14(LA10_P) U1.D31(NO_P22)
NO_P23: J2.D14(LA09_P) U1.B31(NO_P23)
NO_P24: J2.E15(HA16_P) U1.M30(NO_P24)
NO_P25: J2.F16(HA15_P) U1.K30(NO_P25)
NO_P26: J2.G15(LA12_P) U1.G30(NO_P26)
NO_P27: J2.H16(LA11_P) U1.E30(NO_P27)
NO_P28: J2.J15(HA14_P) U1.C30(NO_P28)
NO_P29: J2.K16(HA17_P_CC) U1.A30(NO_P29)
NO_P30: J2.C18(LA14_P) U1.L29(NO_P30)
NO_P31: J2.D17(LA13_P) U1.F29(NO_P31)
NO_P32: J2.E18(HA20_P) U1.D29(NO_P32)
NO_P33: J2.F19(HA19_P) U1.B29(NO_P33)
NO_P34: J2.G18(LA16_P) U1.M28(NO_P34)
NO_P35: J2.H19(LA15_P) U1.K28(NO_P35)
NO_P36: J2.J18(HA18_P) U1.F28(NO_P36)
NO_P37: J2.K19(HA21_P) U1.D28(NO_P37)
NO_P38: J2.C22(LA18_P_CC) U1.B28(NO_P38)
NO_P39: J2.D20(LA17_P_CC) U1.M27(NO_P39)
NO_P40: J2.E21(HB03_P) U1.K27(NO_P40)
NO_P41: J2.F22(HB02_P) U1.H27(NO_P41)
NO_P42: J2.G21(LA20_P) U1.D27(NO_P42)
NO_P43: J2.H22(LA19_P) U1.B27(NO_P43)
NO_P44: J2.J21(HA22_P) U1.M26(NO_P44)
NO_P45: J2.K22(HA23_P) U1.K26(NO_P45)
NO_P46: J2.C26(LA27_P) U1.H26(NO_P46)
NO_P47: J2.D26(LA26_P) U1.D26(NO_P47)
NO_P48: J2.E24(HB05_P) U1.B26(NO_P48)
NO_P49: J2.F25(HB04_P) U1.M25(NO_P49)
NO_P50: J2.G24(LA22_P) U1.K25(NO_P50)
NO_P51: J2.H25(LA21_P) U1.H25(NO_P51)
NO_P52: J2.J24(HB01_P) U1.F25(NO_P52)
NO_P53: J2.K25(HB00_P_CC) U1.B25(NO_P53)
NO_P54: J2.E27(HB09_P) U1.M24(NO_P54)
NO_P55: J2.F28(HB08_P) U1.K24(NO_P55)
NO_P56: J2.G27(LA25_P) U1.H24(NO_P56)
NO_P57: J2.H28(LA24_P) U1.F24(NO_P57)
NO_P58: J2.J27(HB07_P) U1.B24(NO_P58)
NO_P59: J2.K28(HB06_P_CC) U1.M23(NO_P59)
NO_P60: J2.E30(HB13_P) U1.K23(NO_P60)
NO_P61: J2.F31(HB12_P) U1.H23(NO_P61)
NO_P62: J2.G30(LA29_P) U1.F23(NO_P62)
NO_P63: J2.H31(LA28_P) U1.D23(NO_P63)
NO_P64: J1.E2(HA01_P_CC) U1.C20(NO_P64)
NO_P65: J1.F4(HA00_P_CC) U1.E20(NO_P65)
NO_P66: J1.E6(HA05_P) U1.G20(NO_P66)
NO_P67: J1.F7(HA04_P) U1.J20(NO_P67)
NO_P68: J1.G6(LA00_P_CC) U1.L20(NO_P68)
NO_P69: J1.H7(LA02_P) U1.A19(NO_P69)
NO_P70: J1.J6(HA03_P) U1.E19(NO_P70)
NO_P71: J1.K7(HA02_P) U1.G19(NO_P71)
NO_P72: J1.C10(LA06_P) U1.J19(NO_P72)
NO_P73: J1.D8(LA01_P_CC) U1.L19(NO_P73)
NO_P74: J1.E9(HA09_P) U1.A18(NO_P74)
NO_P75: J1.F10(HA08_P) U1.E18(NO_P75)
NO_P76: J1.G9(LA03_P) U1.G18(NO_P76)
NO_P77: J1.H10(LA04_P) U1.J18(NO_P77)
NO_P78: J1.J9(HA07_P) U1.L18(NO_P78)
NO_P79: J1.K10(HA06_P) U1.A17(NO_P79)
NO_P80: J1.E12(HA13_P) U1.C17(NO_P80)
NO_P81: J1.F13(HA12_P) U1.G17(NO_P81)
NO_P82: J1.G12(LA08_P) U1.J17(NO_P82)
NO_P83: J1.H13(LA07_P) U1.L17(NO_P83)
NO_P84: J1.J12(HA11_P) U1.A16(NO_P84)
NO_P85: J1.K13(HA10_P) U1.C16(NO_P85)
NO_P86: J1.C14(LA10_P) U1.G16(NO_P86)
NO_P87: J1.D14(LA09_P) U1.J16(NO_P87)
NO_P88: J1.E15(HA16_P) U1.L16(NO_P88)
NO_P89: J1.F16(HA15_P) U1.A15(NO_P89)
NO_P90: J1.G15(LA12_P) U1.C15(NO_P90)
NO_P91: J1.H16(LA11_P) U1.E15(NO_P91)
NO_P92: J1.J15(HA14_P) U1.J15(NO_P92)
NO_P93: J1.K16(HA17_P_CC) U1.L15(NO_P93)
NO_P94: J1.C18(LA14_P) U1.A14(NO_P94)
NO_P95: J1.D17(LA13_P) U1.C14(NO_P95)
NO_P96: J1.E18(HA20_P) U1.E14(NO_P96)
NO_P97: J1.F19(HA19_P) U1.K14(NO_P97)
NO_P98: J1.G18(LA16_P) U1.M14(NO_P98)
NO_P99: J1.H19(LA15_P) U1.B13(NO_P99)
NO_P100: J1.J18(HA18_P) U1.D13(NO_P100)
NO_P101: J1.K19(HA21_P) U1.F13(NO_P101)
NO_P102: J1.C22(LA18_P_CC) U1.H13(NO_P102)
NO_P103: J1.D20(LA17_P_CC) U1.L13(NO_P103)
NO_P104: J1.E21(HB03_P) U1.A12(NO_P104)
NO_P105: J1.F22(HB02_P) U1.C12(NO_P105)
NO_P106: J1.G21(LA20_P) U1.E12(NO_P106)
NO_P107: J1.H22(LA19_P) U1.G12(NO_P107)
NO_P108: J1.J21(HA22_P) U1.A11(NO_P108)
NO_P109: J1.K22(HA23_P) U1.C11(NO_P109)
NO_P110: J1.C26(LA27_P) U1.E11(NO_P110)
NO_P111: J1.D26(LA26_P) U1.G11(NO_P111)
NO_P112: J1.E24(HB05_P) U1.A10(NO_P112)
NO_P113: J1.F25(HB04_P) U1.C10(NO_P113)
NO_P114: J1.G24(LA22_P) U1.E10(NO_P114)
NO_P115: J1.H25(LA21_P) U1.G10(NO_P115)
NO_P116: J1.J24(HB01_P) U1.A9(NO_P116)
NO_P117: J1.K25(HB00_P_CC) U1.C9(NO_P117)
NO_P118: J1.E27(HB09_P) U1.E9(NO_P118)
NO_P119: J1.F28(HB08_P) U1.G9(NO_P119)
NO_P120: J1.G27(LA25_P) U1.A8(NO_P120)
NO_P121: J1.H28(LA24_P) U1.C8(NO_P121)
NO_P122: J1.J27(HB07_P) U1.E8(NO_P122)
NO_P123: J1.K28(HB06_P_CC) U1.A7(NO_P123)
NO_P124: J1.E30(HB13_P) U1.C7(NO_P124)
NO_P125: J1.F31(HB12_P) U1.E7(NO_P125)
NO_P126: J1.G30(LA29_P) U1.A6(NO_P126)
NO_P127: J1.H31(LA28_P) U1.C6(NO_P127)
NO_VADJ0: J1.E39(VADJ) J1.F40(VADJ) J1.G39(VADJ) J1.H40(VADJ) R110.2 R111.2
NO_VADJ1: J2.E39(VADJ) J2.F40(VADJ) J2.G39(VADJ) J2.H40(VADJ) R115.2 R116.2
PG_C2M_EA: J8.D1(PG_C2M)
PG_C2M_EA1: J7.D1(PG_C2M)
PG_C2M_EA2: J6.D1(PG_C2M)
PG_C2M_EA3: J5.D1(PG_C2M)
PG_C2M_EA4: J4.D1(PG_C2M)
PG_C2M_EA5: J3.D1(PG_C2M)
PG_C2M_EA6: J2.D1(PG_C2M)
PG_C2M_EA7: J1.D1(PG_C2M)
PG_M2C_EA: J8.F1(PG_M2C)
PG_M2C_EA1: J7.F1(PG_M2C)
PG_M2C_EA2: J6.F1(PG_M2C)
PG_M2C_EA3: J5.F1(PG_M2C)
PG_M2C_EA4: J4.F1(PG_M2C)
PG_M2C_EA5: J3.F1(PG_M2C)
PG_M2C_EA6: J2.F1(PG_M2C)
PG_M2C_EA7: J1.F1(PG_M2C)
Q0_VDD: C133.1 C134.1 C135.1 C136.1 J15.3 J15.4 U1.D42(Q0_VDD0) U1.V30(Q0_VDD1)
Q0_VDDC: C1.1 C2.1 C3.1 C4.1 C5.1 C6.1 C7.1 C8.1 C9.1 C10.1 C11.1 J13.3 J13.4 U1.A22(Q0_VDDC6) U1.AA22(Q0_VDDC16) U1.AA26(Q0_VDDC17) U1.AA30(Q0_VDDC14) U1.AA34(Q0_VDDC15) U1.AA38(Q0_VDDC18) U1.AA42(Q0_VDDC19) U1.D25(Q0_VDDC4) U1.E22(Q0_VDDC5) U1.F27(Q0_VDDC10) U1.H29(Q0_VDDC3) U1.J22(Q0_VDDC9) U1.K31(Q0_VDDC13) U1.M33(Q0_VDDC7) U1.N22(Q0_VDDC1) U1.P35(Q0_VDDC2) U1.T37(Q0_VDDC8) U1.U22(Q0_VDDC11) U1.V39(Q0_VDDC12) U1.W24(Q0_VDDC0)
Q0_VDDIO: C89.1 C90.1 C91.1 C92.1 C93.1 C94.1 C95.1 C96.1 C97.1 C98.1 C99.1 J14.3 J14.4 U1.A42(Q0_VDDIO7) U1.B41(Q0_VDDIO3) U1.C40(Q0_VDDIO11) U1.D39(Q0_VDDIO5) U1.E38(Q0_VDDIO6) U1.F37(Q0_VDDIO13) U1.G36(Q0_VDDIO8) U1.H35(Q0_VDDIO2) U1.J34(Q0_VDDIO12) U1.K33(Q0_VDDIO17) U1.L32(Q0_VDDIO15) U1.M31(Q0_VDDIO9) U1.N30(Q0_VDDIO0) U1.P29(Q0_VDDIO1) U1.R28(Q0_VDDIO4) U1.T27(Q0_VDDIO10) U1.U26(Q0_VDDIO14) U1.V25(Q0_VDDIO16)
Q0_VDDM: C45.1 C46.1 C47.1 C48.1 C49.1 C50.1 C51.1 C52.1 C53.1 C54.1 C55.1 J16.3 J16.4 U1.AA24(Q0_VDDM16) U1.AA28(Q0_VDDM17) U1.AA32(Q0_VDDM15) U1.AA36(Q0_VDDM18) U1.AA40(Q0_VDDM14) U1.C22(Q0_VDDM8) U1.C24(Q0_VDDM9) U1.E26(Q0_VDDM5) U1.G22(Q0_VDDM7) U1.G28(Q0_VDDM6) U1.J30(Q0_VDDM10) U1.L22(Q0_VDDM12) U1.N34(Q0_VDDM2) U1.R22(Q0_VDDM4) U1.R36(Q0_VDDM3) U1.U38(Q0_VDDM11) U1.W22(Q0_VDDM0) U1.W40(Q0_VDDM1) U1.Y23(Q0_VDDM13)
Q1_VDD: C137.1 C138.1 C139.1 C140.1 J12.3 J12.4 U1.D1(Q1_VDD0) U1.V13(Q1_VDD1)
Q1_VDDC: C12.1 C13.1 C14.1 C15.1 C16.1 C17.1 C18.1 C19.1 C20.1 C21.1 C22.1 J11.3 J11.4 U1.A21(Q1_VDDC6) U1.AA1(Q1_VDDC18) U1.AA5(Q1_VDDC17) U1.AA9(Q1_VDDC15) U1.AA13(Q1_VDDC19) U1.AA17(Q1_VDDC16) U1.AA21(Q1_VDDC14) U1.D18(Q1_VDDC4) U1.E21(Q1_VDDC5) U1.F16(Q1_VDDC10) U1.H14(Q1_VDDC3) U1.J21(Q1_VDDC9) U1.K12(Q1_VDDC13) U1.M10(Q1_VDDC7) U1.N21(Q1_VDDC1) U1.P8(Q1_VDDC2) U1.T6(Q1_VDDC8) U1.U21(Q1_VDDC11) U1.V4(Q1_VDDC12) U1.W19(Q1_VDDC0)
Q1_VDDIO: C100.1 C101.1 C102.1 C103.1 C104.1 C105.1 C106.1 C107.1 C108.1 C109.1 C110.1 J9.3 J9.4 U1.A1(Q1_VDDIO7) U1.B2(Q1_VDDIO3) U1.C3(Q1_VDDIO11) U1.D4(Q1_VDDIO5) U1.E5(Q1_VDDIO6) U1.F6(Q1_VDDIO13) U1.G7(Q1_VDDIO8) U1.H8(Q1_VDDIO2) U1.J9(Q1_VDDIO12) U1.K10(Q1_VDDIO17) U1.L11(Q1_VDDIO15) U1.M12(Q1_VDDIO9) U1.N13(Q1_VDDIO0) U1.P14(Q1_VDDIO1) U1.R15(Q1_VDDIO4) U1.T16(Q1_VDDIO10) U1.U17(Q1_VDDIO14) U1.V18(Q1_VDDIO16)
Q1_VDDM: C56.1 C57.1 C58.1 C59.1 C60.1 C61.1 C62.1 C63.1 C64.1 C65.1 C66.1 J10.3 J10.4 U1.AA3(Q1_VDDM14) U1.AA7(Q1_VDDM16) U1.AA11(Q1_VDDM15) U1.AA15(Q1_VDDM17) U1.AA19(Q1_VDDM18) U1.C19(Q1_VDDM9) U1.C21(Q1_VDDM8) U1.E17(Q1_VDDM5) U1.G15(Q1_VDDM6) U1.G21(Q1_VDDM7) U1.J13(Q1_VDDM10) U1.L21(Q1_VDDM12) U1.N9(Q1_VDDM2) U1.R7(Q1_VDDM3) U1.R21(Q1_VDDM4) U1.U5(Q1_VDDM11) U1.W3(Q1_VDDM0) U1.W21(Q1_VDDM1) U1.Y20(Q1_VDDM13)